# Altium PCB PCB_3U_RJ45.PCBDOC (part 3 of 3)
Units mm, origin at the board's own origin, x right, y up, seen from the top; angles counter-clockwise.
Board outline 64.5 x 100 mm, 4 copper layers (TopLayer, Internal Plane 2, Internal Plane 1, BottomLayer), stack 1.463 mm thick; 223 components, 130 nets, 865 pads, 459 vias.
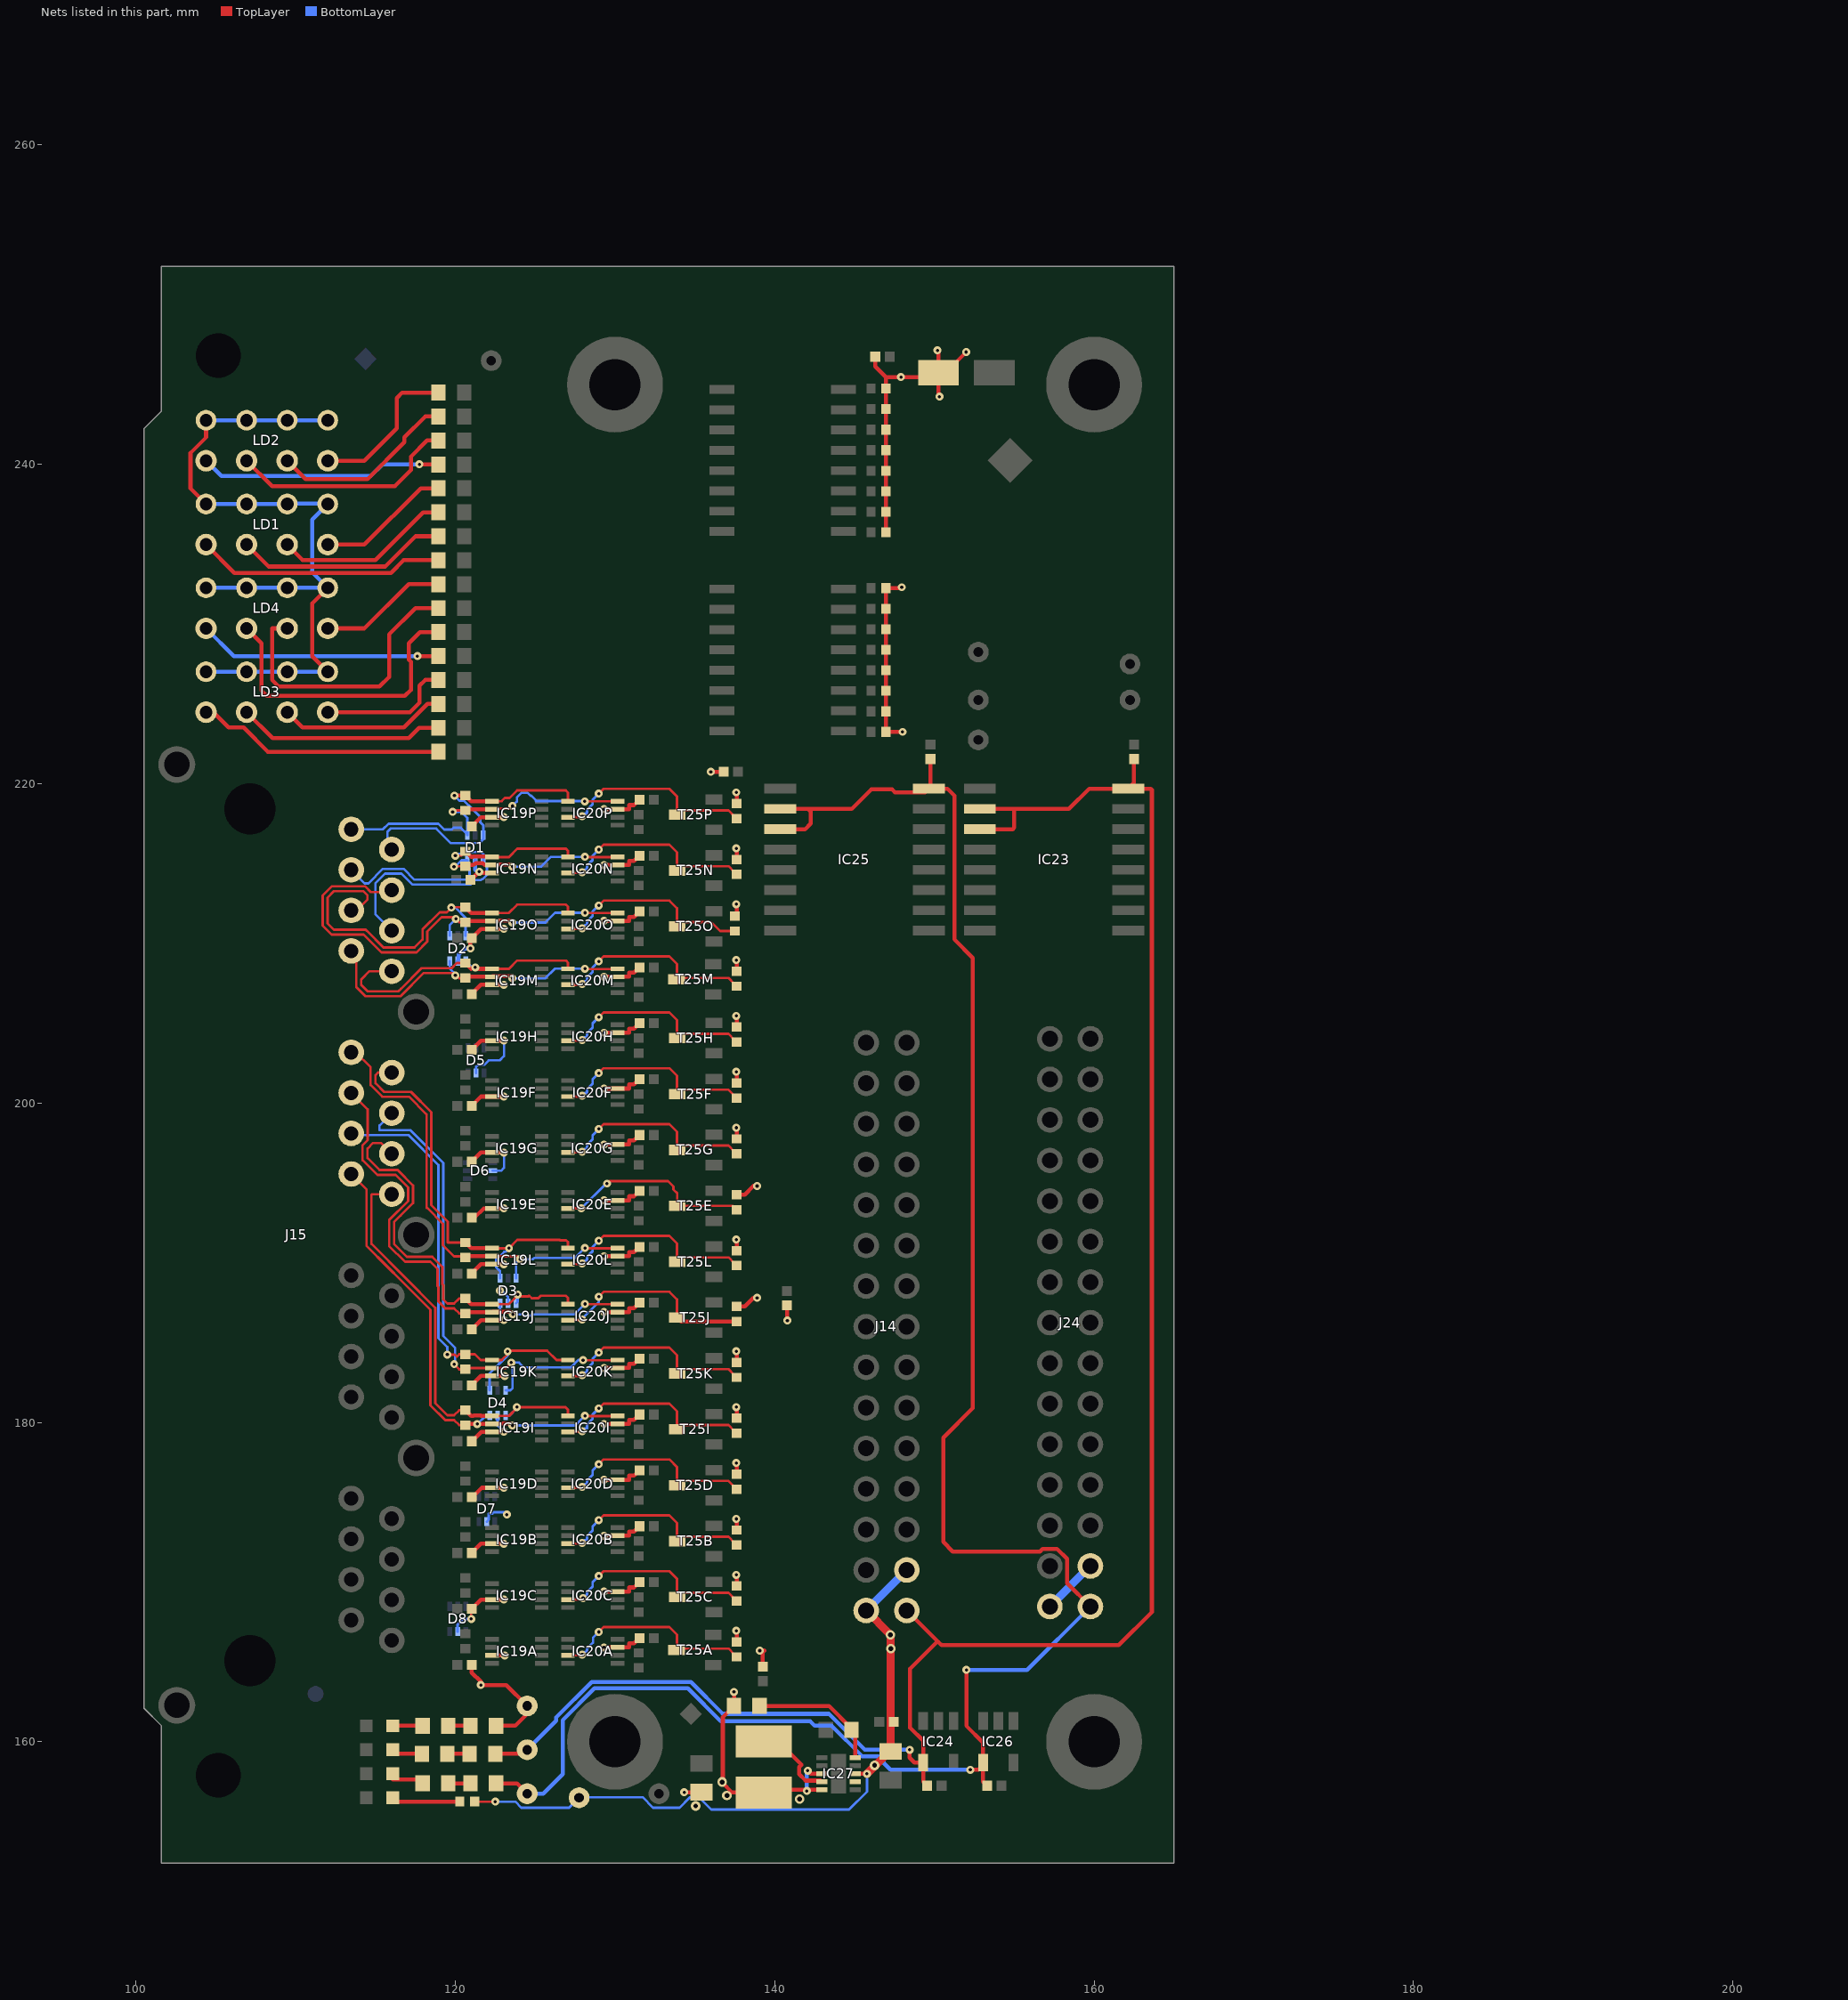
[diagram p5: the nets of this part, all layers, seen from the top]

## Via types
v1: diameter 0.5, hole 0.2, TopLayer to BottomLayer, tented both sides, 381 vias
v2: diameter 0.5, hole 0.2, TopLayer to BottomLayer, 43 vias
v3: diameter 0.6, hole 0.3, TopLayer to BottomLayer, tented both sides, 35 vias

## Nets (pads, with @x,y where several pads share a name; then routed paths per layer and width w, separated by ;. In a path a pad name is that pad's centre, name@x,y a point inside that pad or via, vN(x,y) a via of type N, cw(c..) or ccw(c..) an arc to the next point about the centre after c; other vN are vias at no path point) (continued)
LVDS_IOAI_N: D4.4 IC19I.5 IC20I.1 J15.8C R131I.1 | length 26.6
  TopLayer w0.152: J15.8C@116.02,194.29 114.79,194.29 114.75,194.25 114.75,191.181 116.881,189.05 118.75,187.181 118.75,181.201 119.5,180.451 119.924,180.451 120.242,180.769 R131I.1@120.628,180.769 ; IC19I.5@122.304,180.41 123.359,180.41 123.856,180.907 v2(123.856,180.959) 126.898,180.959 127.053,180.803 IC20I.1@127.053,180.41
  TopLayer w0.254: R131I.1@120.628,180.769 120.987,180.41 121.136,180.41 121.156,180.429 121.594,180.429 121.614,180.41 IC19I.5@122.304,180.41
  BottomLayer w0.152: D4.4@123.15,180.435 123.384,180.435 123.856,180.907 v2(123.856,180.959)
LVDS_IOAI_P: D4.6 IC19I.6 IC20I.8 J15.7C R131I.2 | length 29.9
  TopLayer w0.152: J15.7C@113.48,195.56 113.932,195.108 114.445,194.595 114.445,191.055 115.75,189.75 116.592,188.908 118.445,187.055 118.445,181.075 119.374,180.146 119.924,180.146 120.242,179.829 R131I.2@120.628,179.829 ; v1(128.121,180.422) 128.142,180.4 130.144,180.4 IC20I.8@130.153,180.41
  TopLayer w0.254: R131I.2@120.797,179.91 IC19I.6@122.304,179.91 122.333,179.939 123.447,179.939 v1(123.574,179.812)
  BottomLayer w0.152: v2(121.375,179.9) 121.91,180.435 D4.6@122.15,180.435 ; v1(123.574,179.812) 127.511,179.812 v1(128.121,180.422)
LVDS_IOAJ_N: D3.4 IC19J.5 IC20J.1 J15.6C R131J.1 | length 25.5
  TopLayer w0.152: J15.6C@116.02,196.83 115.35,197.5 114.855,197.5 114.5,197.145 114.5,196.555 115.25,195.805 116.391,195.805 117.353,194.842 117.353,193.738 116.572,192.957 116.163,192.547 116.163,191.179 116.971,190.371 118.56,190.371 119.188,189.743 119.188,188.667 119.25,188.606 119.25,187.701 119.5,187.451 119.924,187.451 120.242,187.769 R131J.1@120.628,187.769 ; IC19J.5@122.304,187.41 123.359,187.41 123.7,187.75 123.85,187.9 124.571,187.9 124.6,187.93 124.632,187.93 124.786,187.775 124.871,187.775 124.884,187.788 125.196,187.788 125.338,187.93 126.927,187.93 127.053,187.803 IC20J.1@127.053,187.41
  TopLayer w0.254: R131J.1@120.628,187.769 120.987,187.41 IC19J.5@122.304,187.41
  BottomLayer w0.152: D3.4@123.8,187.46 123.906,187.566 v2(123.906,188.009)
LVDS_IOAJ_P: D3.6 IC19J.6 IC20J.8 J15.3C R131J.2 | length 31.3
  TopLayer w0.152: J15.3C@113.48,200.64 114.509,199.611 114.509,197.674 114.195,197.361 114.195,196.429 115.124,195.5 116.265,195.5 117.049,194.716 117.049,193.864 115.858,192.673 115.858,191.053 116.844,190.067 118.433,190.067 118.884,189.616 118.884,189.19 118.884,188.541 118.945,188.48 118.945,187.575 119.374,187.146 119.924,187.146 120.242,186.829 R131J.2@120.628,186.829 ; v1(128.121,187.422) 128.142,187.4 130.144,187.4 IC20J.8@130.153,187.41
  TopLayer w0.254: R131J.2@120.797,186.91 IC19J.6@122.304,186.91 122.333,186.939 123.447,186.939 123.605,186.782 v1(123.605,186.773)
  BottomLayer w0.152: D3.6@122.8,187.46 122.8,187.05 122.925,186.925 123.452,186.925 v1(123.605,186.773) 124.216,186.773 124.308,186.681 124.704,186.681 124.796,186.773 127.472,186.773 v1(128.121,187.422)
LVDS_IOAK_N: D4.1 IC19K.5 IC20K.1 J15.5C R131K.1 | length 30.1
  TopLayer w0.152: J15.5C@113.48,198.1 J15.5C@113.946,197.634 ; v2(119.5,184.25) 119.973,184.25 120.098,184.125 120.242,184.269 R131K.1@120.628,184.269 121.231,184.269 121.59,183.91 IC19K.5@122.304,183.91 122.91,183.91 v2@123.362,184.362 ; v2@123.5,184.5 125.75,184.5 126.34,183.91 IC20K.1@127.053,183.91
  BottomLayer w0.152: J15.5C@113.48,198.1 113.58,198 117.069,198 118.945,196.124 118.945,190.75 118.945,185.283 119.5,184.728 v2(119.5,184.25) ; D4.1@122.15,182.015 122.15,183.077 123.275,184.202 v2(123.275,184.45)
LVDS_IOAK_P: D4.3 IC19K.6 IC20K.8 J15.4C R131K.2 | length 32.1
  TopLayer w0.152: v2(119.93,183.646) 119.93,183.641 120.242,183.329 R131K.2@120.628,183.329 120.709,183.41 IC19K.6@122.304,183.41 123.16,183.41 v1(123.5,183.75) ; v1(128,183.906) 128.006,183.9 130.144,183.9 IC20K.8@130.153,183.91
  BottomLayer w0.152: J15.4C@116.02,199.37 115.25,198.6 115.25,198.305 117.195,198.305 119.25,196.25 119.25,185.409 119.979,184.68 119.979,183.695 v2(119.93,183.646) ; D4.3@123.15,182.015 123.44,182.015 123.584,182.159 123.584,182.712 123.584,183.666 v1(123.5,183.75) 123.995,183.75 124.302,183.443 127.233,183.443 127.697,183.906 v1(128,183.906)
LVDS_IOAL_N: D3.1 IC19L.5 IC20L.1 J15.2C R131L.1 | length 25.1
  TopLayer w0.152: J15.2C@116.02,201.91 115.16,201.91 115,201.75 115,201.25 115.547,200.703 117.228,200.703 118.5,199.431 118.5,193.603 119.53,192.574 119.53,191.269 R131L.1@120.628,191.269 ; IC19L.5@122.304,190.91 v2(123.359,190.91) 123.879,191.43 126.531,191.43 126.549,191.411 126.945,191.411 127.053,191.303 IC20L.1@127.053,190.91
  TopLayer w0.254: R131L.1@120.628,191.269 120.987,190.91 IC19L.5@122.304,190.91
  BottomLayer w0.152: D3.1@122.8,189.04 122.8,189.478 122.566,189.712 122.566,190.199 123.06,190.693 123.142,190.693 v2(123.359,190.91)
LVDS_IOAL_P: D3.3 IC19L.6 IC20L.8 J15.1C R131L.2 | length 28.4
  TopLayer w0.152: J15.1C@113.48,203.18 113.765,203.18 114.695,202.25 114.695,201.124 115.42,200.399 117.101,200.399 118.195,199.305 118.195,193.433 118.239,193.433 119.225,192.447 119.225,191.094 119.914,190.405 120.552,190.405 R131L.2@120.628,190.329 ; IC19L.6@122.304,190.41 123.865,190.41 v2(124.05,190.225) ; v1(128.121,190.922) 128.142,190.9 130.144,190.9 IC20L.8@130.153,190.91
  TopLayer w0.254: R131L.2@120.797,190.41 IC19L.6@122.304,190.41
  BottomLayer w0.152: D3.3@123.8,189.04 123.8,189.975 v2(124.05,190.225) 124.863,190.225 124.95,190.312 127.511,190.312 v1(128.121,190.922)
LVDS_IOAM_N: D2.4 IC19M.5 IC20M.1 J15.8D R131M.1 | length 17.7
  TopLayer w0.152: J15.8D@116.02,208.26 114.615,208.26 114.105,207.75 114.105,207.395 114.5,207 116.441,207 116.592,207.151 117.892,208.451 119.775,208.451 120.092,208.769 R131M.1@120.628,208.769 ; IC19M.5@122.304,208.41 123.359,208.41 123.879,208.93 126.927,208.93 127.053,208.803 IC20M.1@127.053,208.41
  TopLayer w0.254: R131M.1@120.628,208.769 120.987,208.41 ; v2@121.25,208.41 IC19M.5@122.304,208.41
  BottomLayer w0.152: D2.4@120.645,208.901 121.105,208.441 121.164,208.5 v2(121.25,208.5)
LVDS_IOAM_P: D2.6 IC19M.6 IC20M.8 J15.7D R131M.2 | length 20.8
  TopLayer w0.152: J15.7D@113.48,209.53 113.8,209.21 113.8,207.269 114.374,206.695 116.567,206.695 118.018,208.146 v2@119.924,208.146 ; v2@120.035,208.035 120.242,207.829 R131M.2@120.628,207.829 ; v1(128.121,208.422) 128.142,208.4 130.144,208.4 IC20M.8@130.153,208.41
  TopLayer w0.254: R131M.2@120.797,207.91 IC19M.6@122.304,207.91 122.333,207.939 123.447,207.939 v1(123.574,207.812)
  BottomLayer w0.152: D2.6@119.645,208.901 119.645,208.425 120,208.071 v2(120,208) ; v1(123.574,207.812) 125.64,207.812 126.25,208.422 v1(128.121,208.422)
LVDS_IOAN_N: D1.4 IC19N.5 IC20N.1 J15.6D R131N.1 | length 22.6
  TopLayer w0.152: v1(120,215.5) 120.359,215.5 R131N.1@120.628,215.769 ; IC19N.5@122.304,215.41 123.359,215.41 123.879,215.93 126.927,215.93 127.053,215.803 IC20N.1@127.053,215.41
  TopLayer w0.254: R131N.1@120.628,215.769 120.987,215.41 121.087,215.41 121.112,215.435 121.887,215.435 121.913,215.41 IC19N.5@122.304,215.41
  BottomLayer w0.152: J15.6D@116.02,210.8 115,211.82 115,212.897 114.991,212.905 114.991,213.766 115.594,214.369 116.631,214.369 117.313,213.687 120.94,213.687 121.227,213.974 121.608,213.974 121.653,214.019 121.696,214.019 121.976,214.299 121.978,214.301 121.978,214.801 121.75,215.029 D1.4@121.75,215.21 121.75,215.604 121.63,215.724 120.505,215.724 120.385,215.604 120.104,215.604 v1(120,215.5) v1@120.198,215.5
LVDS_IOAN_P: D1.6 IC19N.6 IC20N.8 J15.3D R131N.2 | length 21.2
  TopLayer w0.152: v1(119.917,214.816) 119.929,214.829 R131N.2@120.628,214.829 ; v1(128.121,215.422) 128.142,215.4 130.144,215.4 IC20N.8@130.153,215.41
  TopLayer w0.254: R131N.2@120.797,214.91 121.119,214.91 121.191,214.982 121.233,214.982 121.28,215.029 121.714,215.029 121.763,214.98 121.768,214.98 121.838,214.91 IC19N.6@122.304,214.91 122.333,214.939 123.447,214.939 v1(123.574,214.812)
  BottomLayer w0.152: J15.3D@113.48,214.61 114.324,213.766 114.56,213.766 115.468,214.673 116.758,214.673 117.439,213.992 120.814,213.992 120.894,214.072 120.894,214.704 120.75,214.849 D1.6@120.75,215.21 120.387,215.21 119.993,214.816 v1(119.917,214.816) ; D1.6@120.628,215.134 D1.6@120.651,215.111 ; v1(123.574,214.812) 125.39,214.812 126,215.422 v1(128.121,215.422)
LVDS_IOAO_N: D2.3 IC19O.5 IC20O.1 J15.5D R131O.1 | length 26.2
  TopLayer w0.152: J15.5D@113.48,212.07 113.82,212.07 114.5,212.75 114.5,213 114.223,213.277 112.403,213.277 112,212.874 112,211.25 112.387,210.863 114.387,210.863 114.445,210.805 115.5,209.75 117.445,209.75 117.945,210.25 117.945,210.876 119.02,211.951 119.475,211.951 119.75,212.226 v2(119.75,212.25) 119.769,212.269 R131O.1@120.628,212.269 ; IC19O.5@122.304,211.91 123.359,211.91 123.879,212.43 126.927,212.43 127.053,212.303 IC20O.1@127.053,211.91
  TopLayer w0.254: R131O.1@120.628,212.269 120.987,211.91 IC19O.5@122.304,211.91
  BottomLayer w0.152: v2(119.75,212.25) 119.998,212.25 120.645,211.602 D2.3@120.645,210.481
LVDS_IOAO_P: D2.1 IC19O.6 IC20O.8 J15.4D R131O.2 | length 28.8
  TopLayer w0.152: J15.4D@116.02,213.34 115.895,213.216 114.716,213.216 114.35,213.581 112.277,213.581 111.695,213 111.695,211.124 112.26,210.559 114.26,210.559 115.374,209.445 117.571,209.445 118.25,210.124 118.25,210.75 119.146,211.646 119.924,211.646 v2(120.035,211.535) 120.242,211.329 R131O.2@120.628,211.329 R131O.2@120.797,211.41 ; v1(128.121,211.922) 128.142,211.9 130.144,211.9 IC20O.8@130.153,211.91
  TopLayer w0.254: R131O.2@120.797,211.41 IC19O.6@122.304,211.41 122.333,211.439 123.447,211.439 v1(123.574,211.312)
  BottomLayer w0.152: D2.1@119.645,210.481 119.645,211.145 v2(120.035,211.535) ; v1(123.574,211.312) 125.64,211.312 126.25,211.922 v1(128.121,211.922)
LVDS_IOAP_N: D1.3 IC19P.5 IC20P.1 J15.2D R131P.1 | length 19.6
  TopLayer w0.152: IC19P.5@122.304,218.91 122.897,218.91 123.096,219.108 123.393,219.108 123.864,219.579 126.921,219.579 127.053,219.447 IC20P.1@127.053,218.91
  TopLayer w0.254: v1(119.942,219.256) 119.955,219.269 R131P.1@120.628,219.269 120.987,218.91 IC19P.5@122.304,218.91
  BottomLayer w0.152: J15.2D@116.02,215.88 115.75,216.15 115.75,217 115.945,217.195 118.805,217.195 119.724,216.276 121.495,216.276 121.75,216.532 D1.3@121.75,216.79 121.75,217.399 121.555,217.594 121.555,217.926 121.051,218.43 120.534,218.947 120.251,218.947 v1(119.942,219.256)
LVDS_IOAP_P: D1.1 IC19P.6 IC20P.8 J15.1D R131P.2 | length 21
  TopLayer w0.152: v1(119.831,218.236) 119.836,218.236 119.929,218.329 R131P.2@120.628,218.329 ; IC19P.6@122.304,218.41 122.333,218.439 123.403,218.439 v1(123.574,218.61) ; v1(128.099,218.9) 130.144,218.9 IC20P.8@130.153,218.91
  TopLayer w0.254: R131P.2@120.797,218.41 IC19P.6@122.304,218.41
  BottomLayer w0.152: J15.1D@113.48,217.15 115.469,217.15 115.819,217.5 118.931,217.5 119.299,217.132 119.775,217.132 119.882,217.24 120.343,217.24 D1.1@120.75,216.834 ; v1(119.831,218.236) 120.383,218.236 120.75,217.869 D1.1@120.75,216.834 ; D1.1@120.75,216.79 D1.1@120.75,216.834 ; v1(123.574,218.61) 123.854,218.891 123.854,219.146 124.135,219.427 124.531,219.427 124.709,219.249 124.76,219.249 125.04,218.968 125.04,218.922 v1@128.121,218.922
NetIC20A_3: IC20A.3 R133A.1 T25A.3 | length 12.7
  TopLayer w0.152: IC20A.3@127.053,165.41 127.896,165.41 v1(127.943,165.457) ; v1(128.984,166.879) 129.289,167.184 133.404,167.184 133.88,166.708 133.88,165.838 137.104,165.838 R133A.1@137.487,165.454
  BottomLayer w0.152: v1(127.943,165.457) 128.121,165.634 128.248,165.634 128.248,165.872 128.298,165.922 128.34,165.922 128.621,166.202 128.621,166.515 v1(128.984,166.879)
NetIC20B_3: IC20B.3 R133B.1 T25B.3 | length 12.7
  TopLayer w0.152: IC20B.3@127.053,172.41 127.896,172.41 v1(127.943,172.457) ; v1(128.984,173.879) 129.289,174.184 133.404,174.184 133.88,173.708 133.88,172.838 137.104,172.838 R133B.1@137.487,172.454
  BottomLayer w0.152: v1(127.943,172.457) 128.121,172.634 128.248,172.634 128.248,172.872 128.599,173.224 128.599,173.494 v1(128.984,173.879)
NetIC20C_3: IC20C.3 R133C.1 T25C.3 | length 12.7
  TopLayer w0.152: IC20C.3@127.053,168.91 127.91,168.91 v1(128,169) ; v1(128.984,170.379) 129.289,170.684 133.404,170.684 133.88,170.208 133.88,169.338 137.104,169.338 R133C.1@137.487,168.954
  BottomLayer w0.152: v1(128,169) 128,169.013 128.121,169.134 128.248,169.134 128.248,169.372 128.599,169.724 128.599,169.994 v1(128.984,170.379)
NetIC20D_3: IC20D.3 R133D.1 T25D.3 | length 12.9
  TopLayer w0.152: IC20D.3@127.053,175.91 127.896,175.91 v1(127.943,175.957) ; v1(128.984,177.379) 129.289,177.684 133.404,177.684 133.88,177.208 133.88,176.338 137.104,176.338 R133D.1@137.62,175.821
  BottomLayer w0.152: v1(127.943,175.957) 128.121,176.134 128.248,176.134 128.248,176.372 128.599,176.724 128.599,176.994 v1(128.984,177.379)
NetIC20E_3: IC20E.3 R133E.1 T25E.3 | length 12.6
  TopLayer w0.152: IC20E.3@127.053,193.41 v1(127.896,193.41) ; v1(129.5,194.96) 129.652,195.112 133.325,195.112 133.657,194.781 133.657,194.593 133.896,194.354 T25E.3@133.896,193.569 137.373,193.569 R133E.1@137.62,193.321
  BottomLayer w0.152: v1(127.896,193.41) 129.446,194.96 v1(129.5,194.96)
NetIC20F_3: IC20F.3 R133F.1 T25F.3 | length 12.7
  TopLayer w0.152: IC20F.3@127.053,200.41 127.896,200.41 v1(127.943,200.457) ; v1(128.984,201.879) 129.289,202.184 133.404,202.184 133.88,201.708 133.88,200.838 137.104,200.838 R133F.1@137.487,200.454
  BottomLayer w0.152: v1(127.943,200.457) 128.121,200.634 128.248,200.634 128.248,200.872 128.599,201.224 128.599,201.494 v1(128.984,201.879)
NetIC20G_3: IC20G.3 R133G.1 T25G.3 | length 12.7
  TopLayer w0.152: IC20G.3@127.053,196.91 127.896,196.91 v1(127.943,196.957) ; v1(128.984,198.379) 129.289,198.684 133.404,198.684 133.88,198.208 133.88,197.338 137.104,197.338 R133G.1@137.487,196.954
  BottomLayer w0.152: v1(127.943,196.957) 128.121,197.134 128.248,197.134 128.248,197.372 128.599,197.724 128.599,197.994 v1(128.984,198.379)
NetIC20H_3: IC20H.3 R133H.1 T25H.3 | length 12.7
  TopLayer w0.152: IC20H.3@127.053,203.91 127.896,203.91 v1(127.943,203.957) ; v1(128.984,205.379) 129.289,205.684 133.404,205.684 133.88,205.208 133.88,204.338 137.104,204.338 R133H.1@137.487,203.954
  BottomLayer w0.152: v1(127.943,203.957) 128.121,204.134 128.248,204.134 128.248,204.372 128.599,204.724 128.599,204.994 v1(128.984,205.379)
NetIC20I_3: IC20I.3 R133I.1 T25I.3 | length 12.7
  TopLayer w0.152: IC20I.3@127.053,179.41 127.896,179.41 v1(127.943,179.457) ; v1(128.984,180.879) 129.289,181.184 133.404,181.184 133.88,180.708 133.88,179.838 137.104,179.838 R133I.1@137.487,179.454
  BottomLayer w0.152: v1(127.943,179.457) 128.121,179.634 128.248,179.634 128.248,179.872 128.599,180.224 128.599,180.494 v1(128.984,180.879)
NetIC20J_3: IC20J.3 R133J.1 T25J.3 | length 12.8
  TopLayer w0.152: IC20J.3@127.053,186.41 v1@127.896,186.41 ; v1(128.984,187.879) 129.289,188.184 133.404,188.184 133.88,187.708 133.88,186.838 T25J.3@133.896,186.838
  TopLayer w0.254: T25J.3@133.896,186.569 134.144,186.321 R133J.1@137.62,186.321 ; R133J.1@137.62,186.234 R133J.1@137.797,186.234
  BottomLayer w0.152: v1(127.943,186.457) 127.943,186.499 128.984,187.541 v1(128.984,187.879)
NetIC20K_3: IC20K.3 R133K.1 T25K.3 | length 12.7
  TopLayer w0.152: IC20K.3@127.053,182.91 127.896,182.91 v1(127.943,182.957) ; v1(128.984,184.379) 129.289,184.684 133.404,184.684 133.88,184.208 133.88,183.338 137.104,183.338 R133K.1@137.487,182.954
  BottomLayer w0.152: v1(127.943,182.957) 128.121,183.134 128.248,183.134 128.248,183.372 128.599,183.724 128.599,183.994 v1(128.984,184.379)
NetIC20L_3: IC20L.3 R133L.1 T25L.3 | length 12.7
  TopLayer w0.152: IC20L.3@127.053,189.91 127.896,189.91 v1(127.943,189.957) ; v1(128.984,191.379) 129.289,191.684 133.404,191.684 133.88,191.208 133.88,190.338 137.104,190.338 R133L.1@137.487,189.954
  BottomLayer w0.152: v1(127.943,189.957) 128.121,190.134 128.248,190.134 128.248,190.372 128.599,190.724 128.599,190.994 v1(128.984,191.379)
NetIC20M_3: IC20M.3 R133M.1 T25M.3 | length 12.7
  TopLayer w0.152: IC20M.3@127.053,207.41 127.896,207.41 v1(127.943,207.457) ; v1(128.984,208.879) 129.289,209.184 133.404,209.184 133.88,208.708 133.88,207.838 137.104,207.838 R133M.1@137.487,207.454
  BottomLayer w0.152: v1(127.943,207.457) 128.121,207.634 128.248,207.634 128.248,207.872 128.599,208.224 128.599,208.494 v1(128.984,208.879)
NetIC20N_3: IC20N.3 R133N.1 T25N.3 | length 12.7
  TopLayer w0.152: IC20N.3@127.053,214.41 127.896,214.41 v1(127.943,214.457) ; v1(128.984,215.879) 129.289,216.184 133.404,216.184 133.88,215.708 133.88,214.838 137.104,214.838 R133N.1@137.487,214.454
  BottomLayer w0.152: v1(127.943,214.457) 128.121,214.634 128.248,214.634 128.248,214.872 128.599,215.224 128.599,215.494 v1(128.984,215.879)
NetIC20O_3: IC20O.3 R133O.1 T25O.3 | length 12.8
  TopLayer w0.152: IC20O.3@127.053,210.91 127.896,210.91 v1(127.943,210.957) ; v1(128.984,212.379) 129.289,212.684 133.404,212.684 133.88,212.208 133.88,211.338 136.027,211.338 136.584,210.78 R133O.1@137.5,210.78
  BottomLayer w0.152: v1(127.943,210.957) 128.121,211.134 128.248,211.134 128.248,211.372 128.599,211.724 128.599,211.994 v1(128.984,212.379)
NetIC20P_3: IC20P.3 R133P.1 T25P.3 | length 12.7
  TopLayer w0.152: IC20P.3@127.053,217.91 127.896,217.91 v1(127.943,217.957) ; v1(128.984,219.379) 129.289,219.684 133.404,219.684 133.88,219.208 133.88,218.338 137.104,218.338 R133P.1@137.487,217.954
  BottomLayer w0.152: v1(127.943,217.957) 128.121,218.134 128.248,218.134 128.248,218.372 128.599,218.724 128.599,218.994 v1(128.984,219.379)
NetIC27_5: IC27.5 R121.1 R122.2 | length 8.3
  TopLayer w0.254: R121.1@139.05,162.25 143.388,162.25 144.8,160.838 R122.2@144.8,160.75 145.05,160.5 IC27.5@145.05,159
NetIC27_9: IC27.9 L2.1 | length 5.2
  TopLayer w0.254: L2.1@139.319,160.02 140.234,160.02 141.656,158.598 141.656,158.533 141.533,158.41 141.533,157.972 141.934,157.571 142.879,157.571 IC27.9@142.95,157.5
NetLD1_1: LD1.1 R89.1 | length 15.6
  TopLayer w0.254: LD1.1@104.39,234.98 106.171,233.199 115.963,233.199 116.764,234 R89.1@118.95,234
NetLD1_3: LD1.3 R91.1 | length 13.4
  TopLayer w0.254: LD1.3@106.93,234.98 108.304,233.606 115.606,233.606 117.5,235.5 R91.1@118.95,235.5
NetLD1_5: LD1.5 R93.1 | length 11.1
  TopLayer w0.254: LD1.5@109.47,234.98 110.438,234.012 114.995,234.012 117.983,237 R93.1@118.95,237